# Altium PCB STB_SensorBoard.PcbDoc (part 2 of 4) (continued)
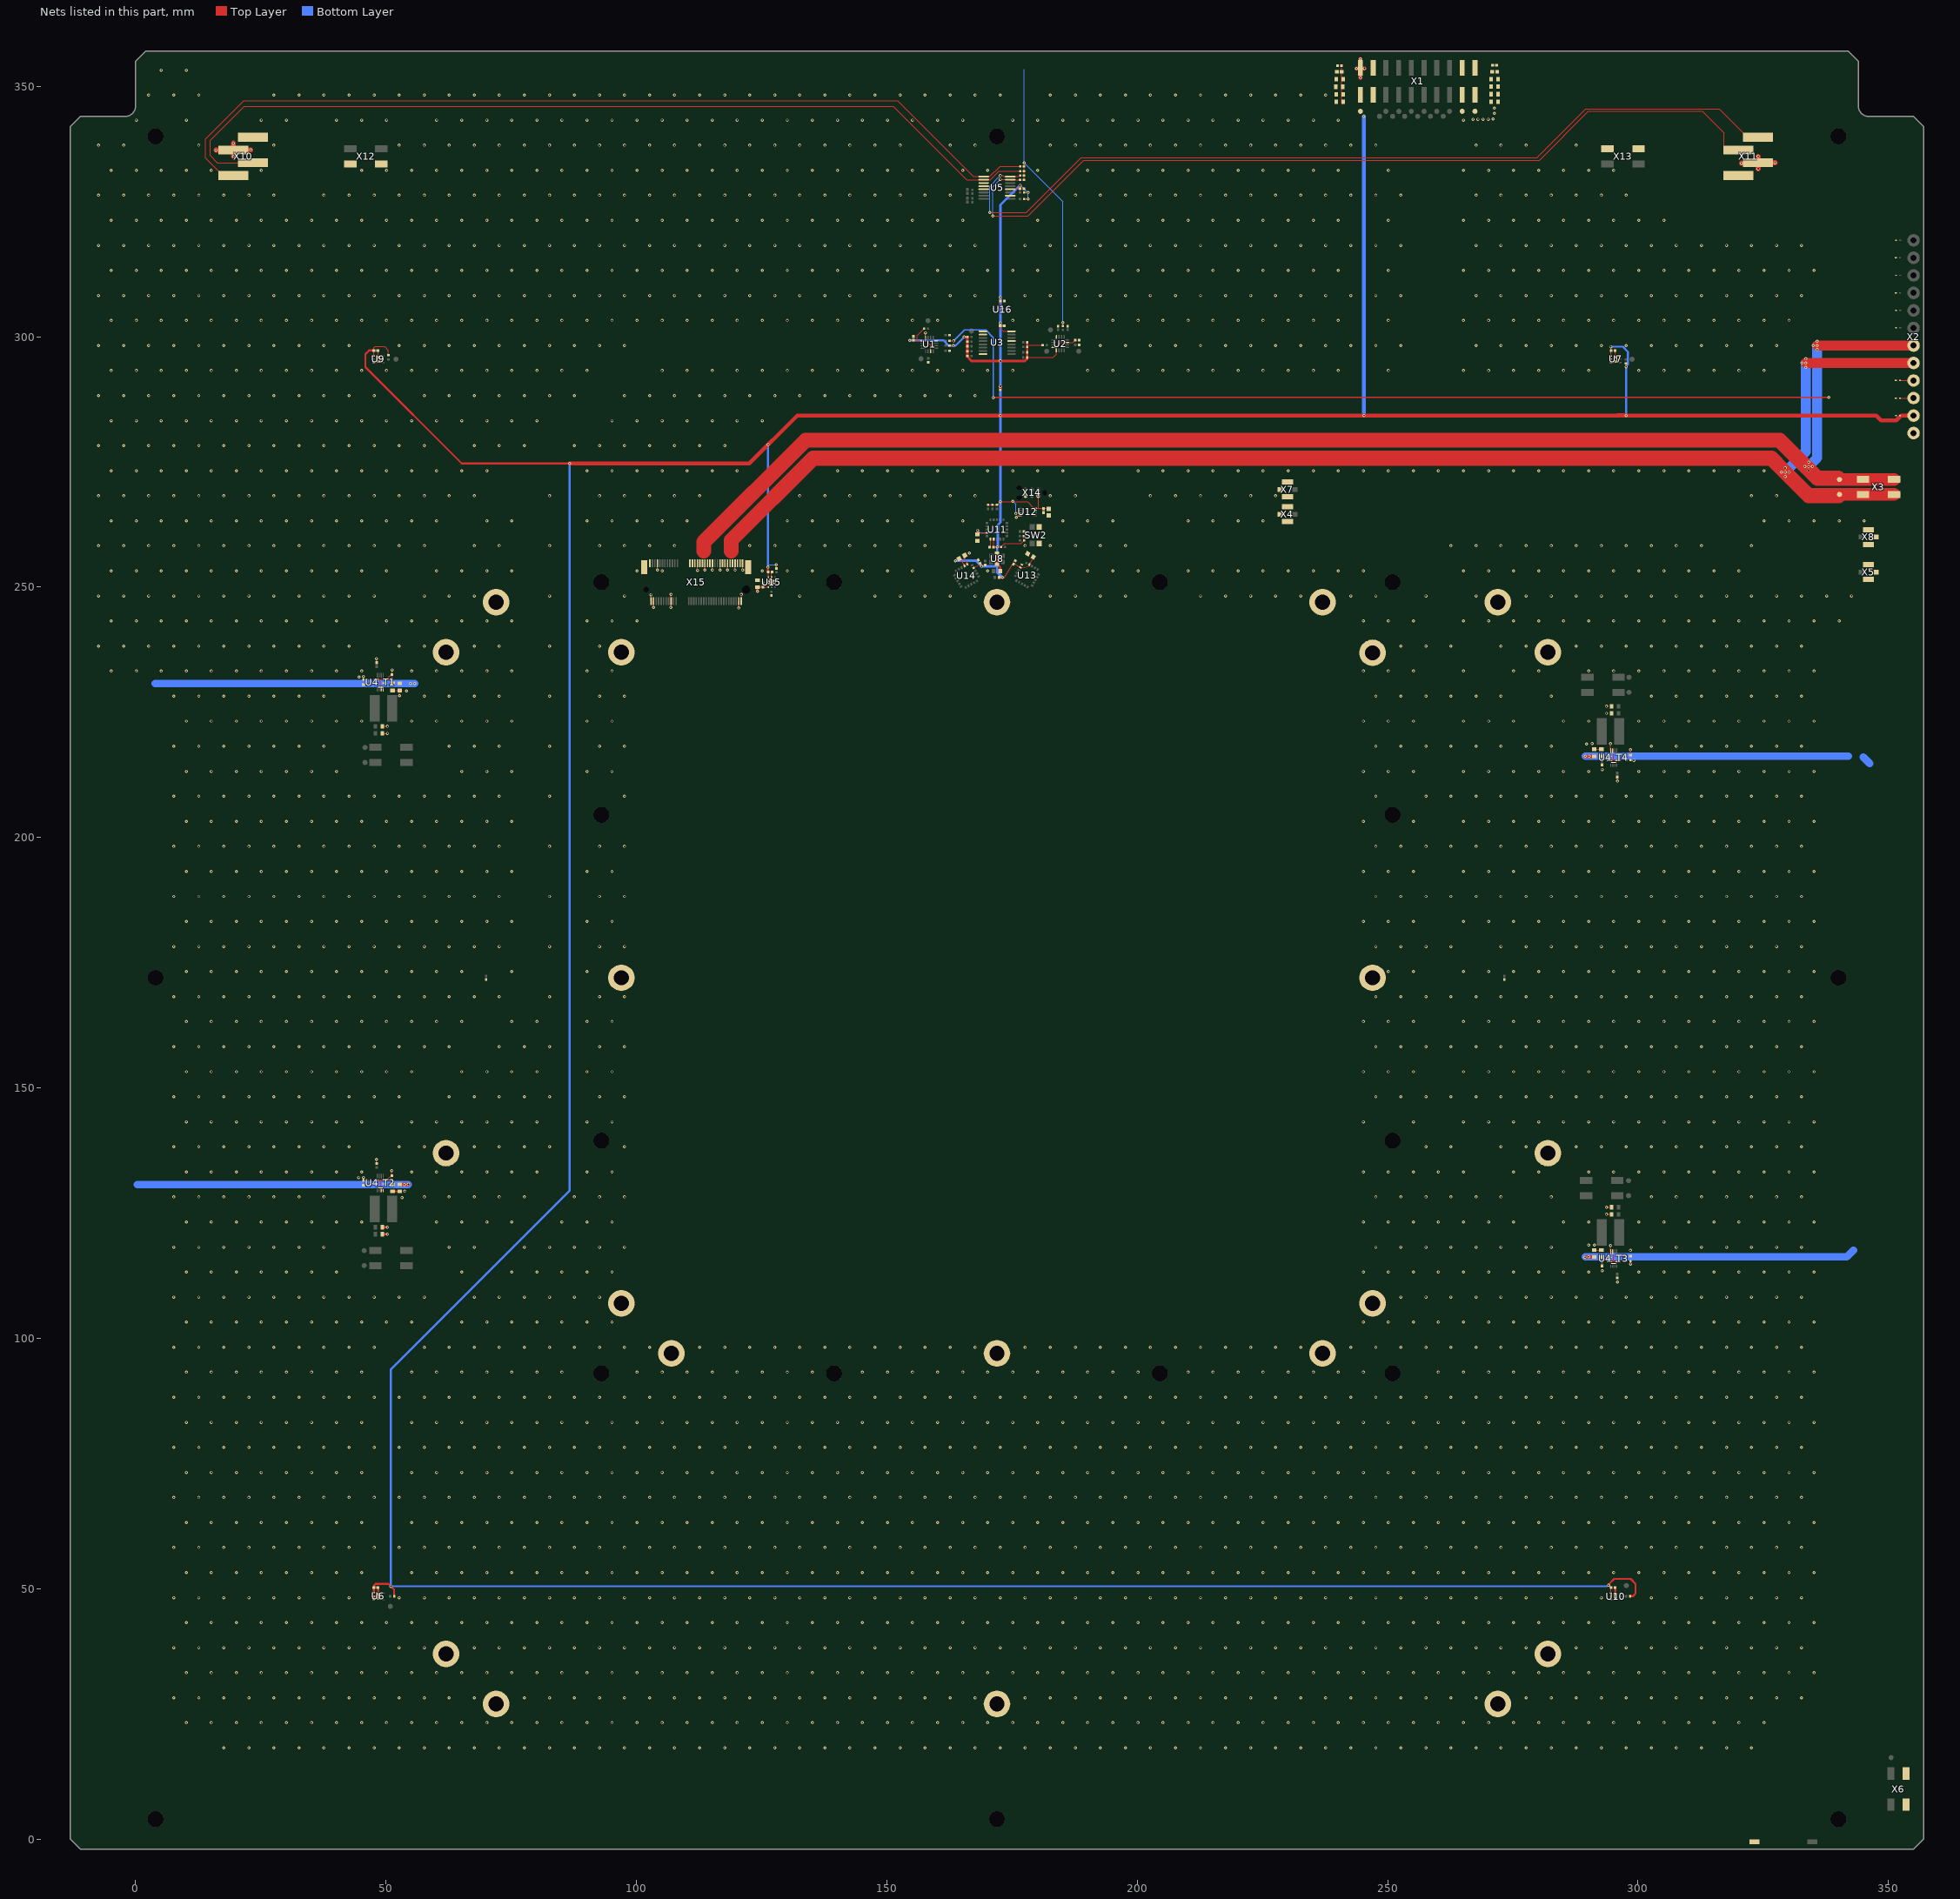
[diagram p2: the nets of this part, all layers, seen from the top]
## Part data (continued)
U13: library part CMP-22831-000003-1, "AS72653-BLGT LGA20 LF T&RDP", Case/Package=LGA, Manufacturer=ams, Supplier Part Number 1=AS72653-BLGTDKR-ND, Category="LED Drivers", ComponentLink1Description=https://ams.com/documents/20143/36005/AS7265x_DS000612_1-00.pdf?src-supplier=Digi-Key, ComponentLink1URL=https://ams.com/documents/20143/36005/AS7265x_DS000612_1-00.pdf?src-supplier=Digi-Key, Manufacturer Part Number=AS72653-BLGT, Mount="Surface Mount", Number of Pins=20, Packaging="Cut Tape", RoHS=No, Supplier 1=Digi-Key
U14: library part CMP-22831-000001-1, "AS72652-BLGT LGA20 LF T&RDP", Case/Package=LGA, Manufacturer=ams, Supplier Part Number 1=AS72652-BLGTDKR-ND, Category="LED Drivers", ComponentLink1Description=https://ams.com/documents/20143/36005/AS7265x_DS000612_1-00.pdf?src-supplier=Digi-Key, ComponentLink1URL=https://ams.com/documents/20143/36005/AS7265x_DS000612_1-00.pdf?src-supplier=Digi-Key, Manufacturer Part Number=AS72652-BLGT, Mount="Surface Mount", Number of Pins=20, Packaging="Cut Tape", RoHS=No, Supplier 1=Digi-Key
U15: library part CMP-04913-000017-1, "IC PWR MGR EFUSE 6.5V 2.8A 6SON", Current=2.5A, Manufacturer="Texas Instruments", Max Operating Temperature=125°C, Max Supply Voltage=6.5V, Min Operating Temperature=-40°C, Min Supply Voltage=2.5V, Package Body Material=Plastic, Package Code=HVSON, Package Shape=Square, Package Style="SMALL OUTLINE, HEAT SINK/SLUG, VERY THIN PROFILEMeter", Peak Reflow Temperature (Cel)=260°C, Supplier Part Number 1=296-37760-6-ND, Supply Voltage-Nom (Vsup)=5V, Temperature Grade=AUTOMOTIVE, Adjustable Threshold=Yes, Analog IC - Other Type="POWER SUPPLY SUPPORT CIRCUIT", Category="Hot Swap Controllers", ComponentLink1Description=https://www.ti.com:443/lit/ds/symlink/tps25200.pdf?src-supplier=IHS+Markit, ComponentLink1URL=https://www.ti.com:443/lit/ds/symlink/tps25200.pdf?src-supplier=IHS+Markit, ComponentLink2Description=https://datasheet.ciiva.com/46433/1821153-46433335.pdf?src-supplier=Element14, ComponentLink2URL=https://datasheet.ciiva.com/46433/1821153-46433335.pdf?src-supplier=Element14, Contact Plating=Gold, Features="Auto Retry", Height=0.75mm, Height - Seated (Max)=0.8mm, JESD-30 Code=S-PDSO-N6, JESD-609 Code=e4, Lead Free="Lead Free", Length=2.1mm, Manufacturer Part Number=TPS25200DRVT, Max Output Current=2.5A, Moisture Sensitivity Level=2, Mount="Surface Mount", Number of Channels=1, Number of Functions=1, Number of Outputs=1, Number of Pins=6, Packaging="Cut Tape", Pricing 1="1=1.15000, 10=1.03200, 25=0.97960, 100=0.80450 (USD)", REACH SVHC="No SVHC", RoHS=Yes, RoHS Compliant=Yes, Stock 1=21750, Supplier 1=Digi-Key, Supply Voltage-Max (Vsup)=6.5V, Supply Voltage-Min (Vsup)=2.5V, Surface Mount=Yes, Terminal Finish=Nickel, Terminal Form="No Lead", Terminal Pitch=0.65mm, Terminal Position=DUAL, Voltage=6.5V, Width=2.1mm
U16: library part CMP-02089-1, "Memory IC 64Kb (8K x 8) I²C 1 MHz 400 ns 4-WLCSP (0.77x0.77)", Clock Frequency="1 MHz", Manufacturer="ON Semiconductor", Mfr=onsemi, Operating Temperature="-40°C ~ 85°C (TA)", Package / Case="4-XFBGA, WLCSP", Supplier Device Package="4-WLCSP (0.77x0.77)", Supplier Part Number 1=488-N24S64BC4DYT3GDKR-ND, Voltage - Supply="1.7V ~ 5.5V", Access Time="400 ns", Base Product Number=N24S64, Category=EEPROM, Manufacturer Part Number=N24S64BC4DYT3G, Memory Format=EEPROM, Memory Interface=I²C, Memory Size="64Kb (8K x 8)", Memory Type=Non-Volatile, Mounting Type="Surface Mount", Product Status=Active, RoHS=Yes, Supplier 1=Digi-Key, Technology=-, Write Cycle Time - Word, Page=5ms
X1: library part CMP-1502-01036-1, "SMT Vertical Pin Header WR-PHD, Pitch 2.54 mm, Dual Row, 20 pins", Contact Resistance=20mOhm, Dielectric Withstanding Voltage (AC)=500V, Flammability Rating="UL94 V-0", Insulation Color=Black, Insulation Resistance=1GR, Manufacturer="Wurth Elektronik", Manufacturer Series=6100, Max Operating Temperature=125°C, Min Operating Temperature=-40°C, Operating Temperature=-40to125degC, Rated Current=3A, Supplier Part Number 1=732-5468-5-ND, Withstanding Voltage=500VAC, Working Voltage=250VAC, Body Breadth=0.2inch, Body Depth=0.142inch, Body Length=1inch, Body/Shell Style=RECEPTACLE, Category=Connectors, ComponentLink1Description=https://datasheet.ciiva.com:443/pdfs/VipMasterIC/IC/MIDC/MIDCS04347/MIDCS04347-1.pdf?src-supplier=IHS+Markit, ComponentLink1URL=https://datasheet.ciiva.com:443/pdfs/VipMasterIC/IC/MIDC/MIDCS04347/MIDCS04347-1.pdf?src-supplier=IHS+Markit, ComponentLink2Description=https://katalog.we-online.de/em/datasheet/6100xx21121.pdf?src-supplier=Digi-Key, ComponentLink2URL=https://katalog.we-online.de/em/datasheet/6100xx21121.pdf?src-supplier=Digi-Key, ComponentLink3Description=http://www.farnell.com/cad/1737271.pdf?src-supplier=Element14, ComponentLink3URL=http://www.farnell.com/cad/1737271.pdf?src-supplier=Element14, Connector Type="BOARD CONNECTOR", Contact Finish - Mating=GOLD, Contact Finish - Termination="Gold (Au) - with Nickel (Ni) barrier", Contact Gender=Male, Contact Material="Copper Alloy", Contact Pattern=RECTANGULAR, Contact Style="SQ PIN-SKT", Datasheet URL=https://katalog.we-online.de/em/datasheet/6100xx21121.pdf, DIN Conformance=No, Filter Feature=No, Gender=Male, IEC Conformance=No, Insulation Material=Polyamide, JESD-609 Code=e4, Manufacturer Part Number=61002021121, Manufacturer URL=http://www.we-online.de, Mating Contact Pitch=0.1inch, Mating Contact Row Spacing=0.1inch, MIL Conformance=No, Mixed Contacts=No, Mount=Board, Mounting Option 1=LOCKING, Mounting Style=STRAIGHT, Mounting Technology=SMT, Number Of Connectors=1, Number of Contacts=20, Number Of PCB Rows=2, Number of Rows Loaded=2, Option="General Purpose", Orientation=Vertical, Package Reference=61002021121, Packaging=Tube, Part Number=61002021121, PCB Contact Pattern=RECTANGULAR, PCB Contact Row Spacing=5.4102mm, Pin Number=20, Pitch=2.54mm, Pricing 1="1=3.72000, 10=3.15900, 24=2.63208, 48=2.19292, 96=1.99302, 192=1.81302 (USD)", Publisher=WurthElektronik, Rated Current (Signal)=3A, REACH SVHC=Yes, Reference Standard=UL, Reliability=COMMERCIAL, RoHS=Yes, RoHS Compliant=Yes, Row Number=Dual, Stock 1=578, Supplier 1=Digi-Key, Terminal Pitch=2.54mm, Termination=SMD/SMT
X2: library part CMP-00203-1, Color=Green, Current - IEC=12A, Current - UL=8A, Manufacturer="Phoenix Contact", Operating Temperature=-, Supplier Part Number=277-5902-ND, Voltage - IEC=250V, Voltage - UL=300V, ComponentLink1Description=1844317.pdf, ComponentLink1URL=http://media.digikey.com/pdf/Data%20Sheets/Phoenix%20Contact%20PDFs/1844317.pdf, Contact Mating Finish=Tin, Features=-, Header Orientation="90°, Right Angle", Manufacturer Part Number=1844317, Mounting Type="Through Hole", Number of Levels=1, Number of Positions=12, Packaging=Bulk, Part Status=Active, Plug Wire Entry=-, Positions Per Level=12, Supplier=Digi-Key, Termination Style=Solder, Type="Header, Male Pins, Shrouded (4 Side)", Wire Gauge or Range - AWG=-, Wire Gauge or Range - mm²=-
X3 X6 X9_T1 X9_T2 X9_T3 X9_T4 X12 X13: "Barrier Strip Terminal Block, 3A, 0.34mm2, 1 Row(s), 1 Deck(s)", Current Rating=3A, Manufacturer=WAGO, Supplier Part Number 1=2946-2059-302/998-403CT-ND, Voltage Rating=250V, Category=Connectors, ComponentLink1Description=https://datasheet.ciiva.com:443/pdfs/VipMasterIC/IC/WAGO/WAGO-S-A0007107760/WAGO-S-A0007107948-1.pdf?src-supplier=IHS+Markit, ComponentLink1URL=https://datasheet.ciiva.com:443/pdfs/VipMasterIC/IC/WAGO/WAGO-S-A0007107760/WAGO-S-A0007107948-1.pdf?src-supplier=IHS+Markit, ComponentLink2Description=https://datasheet.ciiva.com/41441/001208172-da-01-de-smd-leiterplattenklemme-2059-302-998-404-41441808.pdf?src-supplier=Conrad, ComponentLink2URL=https://datasheet.ciiva.com/41441/001208172-da-01-de-smd-leiterplattenklemme-2059-302-998-404-41441808.pdf?src-supplier=Conrad, ComponentLink3Description=https://datasheet.ciiva.com/46435/1860449-46435420.pdf?src-supplier=Element14, ComponentLink3URL=https://datasheet.ciiva.com/46435/1860449-46435420.pdf?src-supplier=Element14, Fastening Method=PUSH-IN, Manufacturer Part Number=2059-302/998-403, Mount=Board, Number of Decks=1, Number of Rows=1, Number of Ways=2, Pricing 1="1=1.25000, 10=0.87800, 25=0.81880, 50=0.74320, 100=0.73990, 250=0.62484, 500=0.59194 (USD)", REACH SVHC=Yes, RoHS=Yes, RoHS Compliant=Yes, Safety Approval=UL, Stock 1=17368, Supplier 1=Digi-Key, Terminal and Terminal Block Type="BARRIER STRIP TERMINAL BLOCK", Wire Cross Section=0.34mm2, Wire/Cable Gauge=22AWG
X4 X5 X7 X8: library part CMP-1676-00003-1, "MCRF, PCB Vertical Jack Receptacle, 50 Ohm, 4-Pin SMD, RoHS, Tape and Reel", Frequency="6 Hz", Insulation Resistance=500MR, Manufacturer=Molex, Max Frequency=6GHz, Max Operating Temperature="90 degC", Min Operating Temperature="-40 degC", Package Quantity=5000, Supplier Part Number 1=WM5587CT-ND, Voltage Rating="60 V", Body Material="Polymer,Liquid Crystal Polymer", Body Plating=Gold, Category="RF / Coaxial Connectors", ComponentLink1Description="Manufacturer URL", ComponentLink1URL=http://www.molex.com/, ComponentLink2Description=Datasheet, ComponentLink2URL=http://www.molex.com/webdocs/datasheets/pdf/en-us/0734120110_RF_COAX_CONNECTORS.pdf, ComponentLink3Description="Package Specification", ComponentLink3URL=http://www.molex.com/pdm_docs/sd/734120110_sd.pdf, ComponentLink4Description=https://datasheet.ciiva.com/30219/250360734120110-rf-coax-nectors-30219809.pdf?src-supplier=Onlinecomponents.com, ComponentLink4URL=https://datasheet.ciiva.com/30219/250360734120110-rf-coax-nectors-30219809.pdf?src-supplier=Onlinecomponents.com, ComponentLink5Description=https://datasheet.ciiva.com/16653/0734120110-rf-coax-connectors-16653186.pdf?src-supplier=Avnet+Europe, ComponentLink5URL=https://datasheet.ciiva.com/16653/0734120110-rf-coax-connectors-16653186.pdf?src-supplier=Avnet+Europe, ComponentLink6Description=https://datasheet.ciiva.com/11762/0900766b80dfdeb4-11762356.pdf?src-supplier=RSComponents, ComponentLink6URL=https://datasheet.ciiva.com/11762/0900766b80dfdeb4-11762356.pdf?src-supplier=RSComponents, ComponentLink7Description=https://datasheet.ciiva.com/22773/1841262-22773140.pdf?src-supplier=Farnell, ComponentLink7URL=https://datasheet.ciiva.com/22773/1841262-22773140.pdf?src-supplier=Farnell, ComponentLink8Description=https://datasheet.ciiva.com/4600/0734120110-rf-coax-connectors-173239-4600647.pdf?src-supplier=Mouser, ComponentLink8URL=https://datasheet.ciiva.com/4600/0734120110-rf-coax-connectors-173239-4600647.pdf?src-supplier=Mouser, ComponentLink9Description=https://datasheet.ciiva.com/16081/1387750734120110-rf-coax-nectors-16081145.pdf?src-supplier=Onlinecomponents.com, ComponentLink9URL=https://datasheet.ciiva.com/16081/1387750734120110-rf-coax-nectors-16081145.pdf?src-supplier=Onlinecomponents.com, ComponentLink10Description=https://datasheet.ciiva.com/46384/1808577-46384459.pdf?src-supplier=Element14, ComponentLink10URL=https://datasheet.ciiva.com/46384/1808577-46384459.pdf?src-supplier=Element14, ComponentLink11Description=https://datasheet.ciiva.com/9419/0734120110-rf-coax-connectors-9419357.pdf?src-supplier=Avnet, ComponentLink11URL=https://datasheet.ciiva.com/9419/0734120110-rf-coax-connectors-9419357.pdf?src-supplier=Avnet, Connector Type=Coaxial, Contact Material=Bronze, Contact Plating=Gold, DatasheetVersion=04/2016, Gender=Female, Halogen Free="Low Halogen", Height="1.25 mm", Impedance="50 Ohm", Lead Free="Lead Free", Length="3 mm", Manufacturer Part Number=73412-0110, Material=Bronze, Mating Cycles=30, Mount="Surface Mount", Mounting Technology="Surface Mount", Orientation=Straight, PackageDescription="4-Leads SMD, Body 2.6 x 2.6 mm", PackageReference=73412-0110, PackageVersion="Rev. C14, 07/2015", Packaging="Tape and Reel", Polarity=Standard, Pricing 1="1=0.70000, 10=0.65600, 25=0.59040, 50=0.52480, 100=0.50300, 250=0.45928, 500=0.43740, 1000=0.36086, 2500=0.32805 (USD)", Radiation Hardening=No, REACH SVHC=Unknown, RoHS=Yes, RoHSCompliant=true, Stock 1=111881, Supplier 1=Digi-Key, Termination=Solder, Voltage Rating (AC)="60 V", Width="3 mm"
X10 X11: "Board Connector, 4 Contact(s), 1 Row(s), Male, Straight, 0.1 inch Pitch, Locking, Black Insulator, Plug", Contact Resistance=10mR, Dielectric Withstanding Voltage (AC)=750V, Insulation Color=Black, Insulation Resistance=5GR, Manufacturer="TE Connectivity", Manufacturer Part Number=3-647166-4, Manufacturer Series=647166, Max Operating Temperature=105°C, Min Operating Temperature=-55°C, Supplier Part Number 1=A110803-ND, Body Breadth=0.25inch, Body Depth=0.347inch, Body Length=0.4inch, Body/Shell Style=PLUG, Category=Connectors, ComponentLink1Description=https://datasheet.ciiva.com:443/pdfs/VipMasterIC/IC/TYEL/TYEL-S-A0008869674/TYEL-S-A0008865685-1.pdf?src-supplier=IHS+Markit, ComponentLink1URL=https://datasheet.ciiva.com:443/pdfs/VipMasterIC/IC/TYEL/TYEL-S-A0008869674/TYEL-S-A0008865685-1.pdf?src-supplier=IHS+Markit, ComponentLink2Description=https://datasheet.ciiva.com/16216/eng-ds-82056-mta-0608-16216388.pdf?src-supplier=Future+Electronics, ComponentLink2URL=https://datasheet.ciiva.com/16216/eng-ds-82056-mta-0608-16216388.pdf?src-supplier=Future+Electronics, ComponentLink3Description=https://datasheet.ciiva.com/9525/eng-ds-82056-mta-0608-9525559.pdf?src-supplier=Avnet, ComponentLink3URL=https://datasheet.ciiva.com/9525/eng-ds-82056-mta-0608-9525559.pdf?src-supplier=Avnet, Connector Type="BOARD CONNECTOR", Contact Finish - Mating="NOT SPECIFIED", Contact Gender=Male, Contact Pattern=RECTANGULAR, Contact Style="SQ PIN-SKT", DIN Conformance=No, Durability=25Cycles, Filter Feature=No, IEC Conformance=No, Insertion Force-Max=8.896N, Insulation Material=Nylon, JESD-609 Code=e3, Mating Contact Pitch=0.1inch, MIL Conformance=No, Mixed Contacts=No, Mount=Board, Mounting Option 1=LOCKING, Mounting Option 2="FRICTION LOCK", Mounting Style=STRAIGHT, Number Of Connectors=1, Number of Contacts=4, Number Of PCB Rows=2, Number of Rows Loaded=1, Option="General Purpose", PCB Contact Pattern=STAGGERED, PCB Contact Row Spacing=2.9972mm, Polarization Key="POLARIZED HOUSING", Pricing 1="1=2.42000, 10=2.10700, 100=1.88280, 500=1.56900, 1000=1.34485, 5000=1.19243 (USD)", Reach SVHC Compliant=Yes, Reference Standard=UL, Reliability=COMMERCIAL, RoHS=Yes, RoHS Compliant=Yes, Stock 1=3619, Supplier 1=Digi-Key, Terminal Pitch=2.54mm, Termination=SMD/SMT, Withdrawl Force-Min=3.614N
X14: library part CMP-00723-1, "CABLE, TAG CONNECT, WITH OUT LEG, FOR IC", Package Quantity=1, Lead Free="Lead Free", Number of Pins=6, Packaging=Bulk, REACH SVHC="No SVHC"
X15: library part CMP-01221-1, "67 Position Female Connector M.2 (NGFF) Mini Card Gold 0.020\" (0.50mm) Black", Color=Black, Contact Current Rating=500mA, Insulation Resistance=500MR, Manufacturer="TE Connectivity", Manufacturer Part Number=2199230-4, Max Operating Temperature=80°C, Min Operating Temperature=-40°C, Package Quantity=1, Supplier Part Number 1=A115904CT-ND, Voltage Rating=50V, Category="Card Edge Connectors", ComponentLink1Description=https://datasheet.ciiva.com/28797/1918022-28797830.pdf?src-supplier=Element14, ComponentLink1URL=https://datasheet.ciiva.com/28797/1918022-28797830.pdf?src-supplier=Element14, ComponentLink2Description=https://datasheet.ciiva.com/18495/eng-cd-2199230-b1-c-2199230-b1-18495978.pdf?src-supplier=Digi-Key, ComponentLink2URL=https://datasheet.ciiva.com/18495/eng-cd-2199230-b1-c-2199230-b1-18495978.pdf?src-supplier=Digi-Key, ComponentLink3Description=https://datasheet.ciiva.com/18495/eng-cd-2199230-b1-c-2199230-b1-18495979.pdf?src-supplier=Digi-Key, ComponentLink3URL=https://datasheet.ciiva.com/18495/eng-cd-2199230-b1-c-2199230-b1-18495979.pdf?src-supplier=Digi-Key, ComponentLink4Description=https://datasheet.ciiva.com/18495/eng-cd-2199230-b1-c-2199230-b1-18495980.pdf?src-supplier=Digi-Key, ComponentLink4URL=https://datasheet.ciiva.com/18495/eng-cd-2199230-b1-c-2199230-b1-18495980.pdf?src-supplier=Digi-Key, ComponentLink5Description=https://datasheet.ciiva.com/22714/1918022-22714780.pdf?src-supplier=Element14, ComponentLink5URL=https://datasheet.ciiva.com/22714/1918022-22714780.pdf?src-supplier=Element14, ComponentLink6Description=https://datasheet.ciiva.com/28797/1918022-28797822.pdf?src-supplier=Element14, ComponentLink6URL=https://datasheet.ciiva.com/28797/1918022-28797822.pdf?src-supplier=Element14, Contact Material="Copper Alloy", Contact Plating=Gold,Matte, Current Rating=500mA, ELV=Compliant, Gender=Female, Height=3.2mm, Housing Color=Black, Housing Material=Thermoplastic, Insulation Material=Thermoplastic, Length=0.862inch, Mount="Surface Mount", Number of Contacts=67, Number of Positions=67, Number of Rows=2, Orientation="Right Angle", Packaging="Tape and Reel", PCB Mounting Orientation="Right Angle", Pitch=0.5mm, Pricing 1="1=1.29000, 10=1.13700, 25=1.07000, 50=1.02560, 100=0.98100, 250=0.89180, 500=0.80262 (USD)", REACH SVHC=Unknown, RoHS=Yes, RoHS Compliant=Yes, Row Spacing=7.55mm, Stock 1=14351, Supplier 1=Digi-Key, Termination=Solder, Width=8.7mm

## Free pads (board coordinates)
  round 3.2 hole 3.2 unplated: 6(4,4) 6(4,172) 6(4,340) 6(93,251) 6(93,204.5) 6(93,139.5) 6(93.009,93) 6(139.509,251) 6(139.509,93) 6(172,4) 6(172,340) 6(204.509,251) 6(204.509,93) 6(251,93) 6(251,139.5) 6(251,204.5) 6(251,251) 6(340,4) 6(340,340) 6(340,172)

## Via types
v1: diameter 0.604, hole 0.3, Top Layer to Bottom Layer, tented both sides, 3353 vias

## Nets (pads, with @x,y where several pads share a name; then routed paths per layer and width w, separated by ;. In a path a pad name is that pad's centre, name@x,y a point inside that pad or via, vN(x,y) a via of type N, cw(c..) or ccw(c..) an arc to the next point about the centre after c; other vN are vias at no path point)
3V3: C7.2 C8.2 C9.2 C10.2 C11.2 C12.2 C13.2 C15.2 C17.2 C25.2 C28.2 C29.2 C32.2 C33.2 C34.2 C35.2 C36.2 C37.2 C38.2 C39.2 C40.2 C41.2 C43.2 C45.2 D7.1 L2.2 R1.2 R2.2 R3.1 R7.2 R11.1 R13_T1.2 R13_T2.2 R13_T3.2 R13_T4.2 R14_T1.2 R14_T2.2 R14_T3.2 R14_T4.2 R19.2 R20.2 R25.2 R26.2 R27.2 R28.2 R29.2 R30.2 R31.2 R32.2 R33.2 R34.2 R36.1 TP10.TP U1.1 U1.7 U2.1 U2.7 U2.16 U3.16 U5.12 U6.1 U7.1 U7.2 U9.1 U10.1 U11.14 U11.17 U12.3 U12.7 U12.8 U13.14 U13.17 U14.14 U14.17 U15.6 U16.A1 X1.20 X2.2 X14.2 | length 1168
  Top Layer w0.2: U6.1@47.55,49.25 47.555,49.25 U6.1@47.58,49.275 ; U9.1@47.55,296.15 47.555,296.15 47.58,296.175 47.58,297.22 C32.2@47.61,297.25 47.582,297.278 47.582,297.761 47.873,298.052 49.73,298.052 50.498,297.284 R28.2@50.498,296.283 ; C28.2@47.58,50.22 C28.2@47.61,50.25 ; C43.2@126.304,252.998 126.346,252.956 U15.6@126.346,251.975 ; v1(127.939,254.464) 127.952,254.451 127.952,253.748 R36.1@127.965,253.735 ; v1(154.608,299.294) 154.61,299.293 C13.2@155.318,299.291 C13.2@155.318,299.291 ; C13.2@155.512,299.188 156.055,299.188 ; R2.2@157.45,301.6 156.055,300.205 156.055,299.188 ; U1.7@158.75,297.099 158.75,298.33 157.909,299.171 157.607,299.171 157.599,299.179 157.17,299.179 U1.1@157.149,299.2 157.136,299.188 156.055,299.188 ; R3.1@162.527,298.2 v1(163.295,298.201) ; v1(163.704,255.253) 164.163,255.518 C39.2@164.437,255.694 164.775,255.484 165.413,254.379 U14.17@165.518,254.237 ; R11.1@166.09,299.976 166.093,299.973 R14_T2.2@166.093,297.109 ; 166.093,296.443 R14_T2.2@166.093,297.109 ; R14_T2.2@166.095,297.112 R14_T2.2@166.093,297.109 ; U14.14@167.346,253.821 167.473,253.951 168.552,254.574 C41.2@168.65,254.635 ; v1(168.1,261.351) C34.2@168.1,260.534 168.45,260.82 169.8,260.82 U11.14@169.975,260.85 ; C41.2@168.642,254.737 ccw(c169.345,254.737) C41.2@168.65,254.635 ; v1(168.924,254.165) 168.848,254.24 cw(c169.345,254.737) C41.2@168.65,254.635 ; R34.2@170.222,266.426 R30.2@172,266.426 172.631,267.057 v1(172.674,267.057) 172.696,267.078 178.084,267.078 179.378,265.784 U12.8@179.613,265.784 ; C35.2@171.318,258.013 C35.2@171.322,258.017 ; U11.17@171.35,259.575 171.334,259.559 171.334,258.029 C35.2@171.322,258.017 ; L2.2@172.42,251.935 172.605,251.934 v1(173.081,251.934) 173.558,251.934 175.064,254.52 C40.2@175.293,254.596 175.48,254.599 176.5,254.011 U13.17@176.658,253.934 176.832,253.885 176.902,253.845 176.948,253.818 177.002,253.818 177.023,253.818 178.225,254.071 178.286,254.131 178.299,254.154 178.393,254.318 U13.14@178.45,254.487 178.531,254.642 179.133,255.684 C38.2@179.254,256.019 ; C17.2@172.66,302.141 172.681,302.121 172.681,301.632 173.238,301.075 U3.16@174.9,301.075 ; C17.2@172.67,302.151 v1@172.67,302.715 ; v1(172.68,307.872) 172.683,307.87 172.683,307.175 C45.2@172.685,307.172 172.685,305.818 172.875,305.628 U16.A1@172.875,305.622 ; R27.2@172.825,257.99 172.81,258.006 172.052,258.006 v1(172.037,258.021) 172.033,258.017 C35.2@171.322,258.017 ; R27.2@172.866,257.997 172.866,258.031 173.534,258.7 176.801,258.7 R32.2@177.41,259.309 177.396,259.322 177.396,260.186 R31.2@177.383,260.2 ; U5.12@174.65,329.432 174.679,329.461 176.502,329.461 C25.2@176.613,329.573 ; v1(175.771,264.675) 175.88,264.675 175.963,264.759 176.588,264.759 U12.3@176.613,264.784 ; R20.2@177.403,327.496 v1(178.225,327.496) ; R19.2@177.403,328.772 v1(178.225,328.772) ; R14_T3.2@178.025,295.842 183.233,295.842 183.886,296.495 U2.1@183.886,297.249 183.886,298 184.736,298.85 U2.7@185.987,298.85 187.173,298.85 187.613,299.29 C15.2@187.633,299.29 ; 178.025,298.339 178.036,298.35 R7.2@181.123,298.35 ; U12.7@179.613,265.284 U12.8@179.613,265.784 ; X14.2@180.245,268.2 180.267,268.178 180.267,265.784 ; C36.2@182.347,265.574 182.137,265.784 180.267,265.784 ; C36.2@182.347,265.63 C36.2@182.607,265.37 ; U2.16@183.285,297.85 183.29,297.845 183.873,297.845 ; 240.86,353.7 240.86,353.534 240.848,353.522 240.855,353.515 C11.2@240.855,352.9 240.855,346.67 241.1,346.425 ; 244.96,344 v1(245.264,344) ; U7.2@294.55,295.5 U7.1@294.55,296.15 294.555,296.15 294.58,296.175 294.58,297.97 v1(294.55,298) ; U10.1@294.58,49.18 C33.2@294.58,50.22 ; R26.2@297.575,294.68 297.587,294.668 297.587,294.013 v1(297.6,294) ; D7.1@352.316,284.257 352.319,284.253 354.997,284.253 X2.2@355,284.25 ; U12.8@179.613,265.784 180.267,265.784
  Top Layer w0.4: U6.1@47.58,49.275 C28.2@47.58,50.22 ; C28.2@47.61,50.25 47.63,50.25 47.69,50.31 47.69,50.746 47.944,51 50.5,51 51.65,49.85 R25.2@51.65,48.5 ; C32.2@47.61,297.25 46.627,297.25 45.9,296.523 45.9,293.949 65.142,274.707 v1(86.677,274.707) ; v1(126.284,254) 126.294,253.99 126.294,253.008 C43.2@126.304,252.998 ; v1(165.42,299.938) 165.439,299.957 166.071,299.957 R11.1@166.09,299.976 ; R14_T3.2@178.025,295.842 R13_T3.2@178.025,296.886 178.025,298.339 R13_T4.2@178.025,298.882 ; C33.2@294.58,50.22 C33.2@294.61,50.25 294.59,50.25 294.109,50.731 v1(294.109,50.741) 294.148,50.78 294.148,50.88 295.239,51.971 298.529,51.971 299.5,51 299.5,49.055 298.97,48.525 298.425,48.525 R29.2@298.4,48.5
  Top Layer w0.5: R11.1@166.09,299.976 R13_T1.2@166.09,298.1 R13_T2.2@166.09,296.168 166.09,295.988 166.93,295.148 v1(172.68,295.148) 177.572,295.148 178.025,295.601 R14_T3.2@178.025,295.842 ; C17.2@172.66,302.141 C17.2@172.67,302.151 ; v1@172.67,302.715 v1(172.68,302.725) ; R1.2@172.679,289.4 v1(172.679,290.1) ; C25.2@176.613,329.573 v1(176.613,330.23)
  Top Layer w0.8: v1@86.7,274.685 122.569,274.685 132.134,284.25 172.669,284.25 v1(172.683,284.236) v1@172.746,284.236 ; v1@172.844,284.255 186.215,284.255 186.223,284.263 245.264,284.263 v1(245.281,284.247) 295.816,284.247 295.856,284.286 v1@297.552,284.286 ; v1(297.6,284.238) 347.556,284.238 348.5,283.294 351.561,283.294 352.517,284.25 354.931,284.25 X2.2@355.112,284.069
  Bottom Layer w0.2: 126.298,254.427 126.335,254.464 v1(127.939,254.464) ; v1(168.1,261.351) 168.563,260.889 172.183,260.889 ; v1(175.169,267.143) 175.771,266.541 v1(175.771,264.675) ; v1(176.613,330.23) 176.69,330.23 178.148,328.772 v1(178.225,328.772) v1(178.225,327.496) ; v1(297.6,294) v1@297.6,294.102
  Bottom Layer w0.4: v1@86.689,274.719 v1(86.677,274.707) 86.7,274.685 86.7,129.518 51.007,93.825 v1(51.007,50.5) 293.813,50.5 294.054,50.741 v1(294.109,50.741) ; v1(126.284,254) 126.298,254.014 126.298,254.427 126.298,278.414 v1(126.312,278.428) ; v1(154.608,299.294) 161.286,299.294 162.379,298.201 v1(163.295,298.201) 163.313,298.219 163.753,298.219 165.42,299.887 v1(165.42,299.938) ; v1(294.55,298) 296.95,298 297.975,296.975 297.975,294.477 v1@297.6,294.102 ; v1(297.6,284.238) v1(297.6,294)
  Bottom Layer w0.5: v1(163.704,255.253) 167.835,255.253 v1(168.924,254.165) 172.037,254.165 ; v1(173.081,251.934) 172.037,252.979 172.037,254.165 ; v1(176.613,330.23) 172.68,326.297 v1(172.68,302.725) v1(172.68,295.148) 172.68,284.239 v1(172.683,284.236) 172.679,284.231 172.679,267.061 v1(172.674,267.057) 172.674,262.907 172.198,262.43 172.198,260.904 172.183,260.889 172.183,258.195 172.037,258.049 172.037,254.165
  Bottom Layer w0.8: v1(245.264,344) 245.264,284.263 v1(245.281,284.247)
3V3_DUT: C42.2 C44.2 U15.1 X15.2 X15.4 X15.72 X15.74 | length 8.2
  Top Layer w0.2: X15.2@102.95,247.225 v1(102.95,248.505) ; v1(103.443,245.933) 103.446,245.937 103.446,247.221 X15.4@103.45,247.225 ; v1(120.45,245.826) X15.72@120.45,247.225 ; X15.74@120.95,247.225 v1(120.95,248.516) ; C42.2@124.178,249.972 124.231,250.025 C44.2@125.247,250.025 U15.1@126.346,250.025
  Top Layer w0.5: v1(124.169,249.185) 124.174,249.189 124.174,249.968 C42.2@124.178,249.972
5V: C1.2 C2.2 C3.2 C4.2 C5.2 C6.2 C18_T1.2 C18_T2.2 C18_T3.2 C18_T4.2 C19_T1.2 C19_T2.2 C19_T3.2 C19_T4.2 D8.1 R5.1 R12_T1.2 R12_T2.2 R12_T3.2 R12_T4.2 TP1.TP U4_T1.10 U4_T2.10 U4_T3.10 U4_T4.10 X1.1 X1.2 X2.3 | length 418.5
  Top Layer w0.2: R12_T2.2@45.5,131.532 v1(45.5,132.12) ; R12_T1.2@45.5,231.532 45.51,231.542 45.51,232.171 v1(45.52,232.181) ; R5.1@162.527,299.2 163.289,299.2 v1(163.333,299.156) ; TP1.TP@267.415,344.993 TP1.TP@267.43,345.007 ; R12_T3.2@298.5,115.438 298.505,115.433 298.505,114.845 v1(298.51,114.84) ; R12_T4.2@298.5,215.468 298.53,215.438 299.124,215.438 v1(299.154,215.407) ; D8.1@352.316,287.737 D8.1@352.306,287.747 D8.1@352.306,287.747 X2.3@354.961,287.748 ; X2.3@354.958,287.745 X2.3@354.961,287.748 ; X2.3@354.963,287.75 X2.3@354.961,287.748 ; X2.3@355,287.75 354.998,287.748 X2.3@354.961,287.748
  Top Layer w0.25: v1(171.236,287.828) 171.26,287.852 338.075,287.852 v1(338.1,287.877)
  Top Layer w0.7: C19_T2.2@52.754,130.762 54.481,130.762 v1(54.487,130.768) ; v1(289.406,116.213) 290.116,116.213 290.12,116.208 C19_T3.2@291.246,116.208 ; v1(289.437,216.23) 289.445,216.238 v1(290.212,216.238) C19_T4.2@291.246,216.238
  Bottom Layer w0.2: 45.494,230.76 45.494,232.155 v1(45.52,232.181) ; v1(45.5,132.12) 45.5,130.935 45.686,130.749 ; v1(298.51,114.84) 298.51,116.266
  Bottom Layer w0.25: v1(163.333,299.156) 165.502,301.325 169.775,301.325 171.267,299.833 171.267,287.859 v1(171.236,287.828)
  Bottom Layer w1.5: 0.329,130.729 45.706,130.729 ; 3.9,230.76 45.494,230.76 ; 45.68,230.76 v1(54.912,230.76) v1(55.771,230.76) ; 45.686,130.749 45.706,130.729 ; v1@54.481,130.729 v1(53.649,130.729) 45.706,130.729 ; v1@289.435,116.266 v1(290.12,116.266) 298.51,116.266 341.666,116.266 343,117.6 ; v1(289.437,216.23) v1@290.212,216.23 ; v1@290.227,216.223 342,216.223 ; 344.93,216.07 346.248,214.752
  other v1: 267.03,343.425 268.038,343.425 269.047,343.425 270.05,343.425 271.069,343.475 271.325,344.602 271.325,345.654
12V: D9.1 R8.1 R15.2 R16.2 R17.2 R18.2 X1.19 X2.4 X10.2 X11.2 | length 84.6
  Top Layer w0.2: R18.2@177.378,331.337 177.403,331.362 R17.2@177.403,332.2 R16.2@177.403,333.087 R15.2@177.403,334 177.403,334.675 v1(177.428,334.7) ; R8.1@185.136,302.141 185.142,302.148 185.142,302.841 v1(185.148,302.848) ; D9.1@352.306,291.257 352.309,291.253 354.997,291.253 X2.4@355,291.25
  Top Layer w0.8: v1(243.775,353.565) 244.47,353.565 244.57,353.665 X1.19@244.57,353.7 v1(244.57,355.45) ; v1(244.581,351.689) 244.581,353.439 244.581,353.474 244.681,353.574 v1(245.376,353.574)
  Top Layer w1: v1(16.065,337.256) 19.521,337.256 X10.2@19.535,337.27 ; v1(19.535,336) X10.2@19.535,337.27 ; v1(19.535,338.653) X10.2@19.535,337.27 ; v1(23,337.27) X10.2@19.535,337.27 ; v1(320.631,334.644) 323.879,334.644 X11.2@323.965,334.73 ; v1(323.965,333.529) X11.2@323.965,334.73 ; v1(323.965,336.014) X11.2@323.965,334.73 ; v1(327.343,334.73) X11.2@323.965,334.73
  Bottom Layer w0.2: v1(177.428,334.7) 177.428,334.728 177.428,353.4 ; v1@177.44,334.688 185.148,326.98 v1(185.148,302.848)
CELL_NEG: TP16.TP X2.5 X3.1 X15.59 X15.61 X15.65 X15.67 X15.71 X15.73 | length 289
  Top Layer w2: v1(333.473,294.74) 333.482,294.75 X2.5@355,294.75
  Top Layer w2.5: TP16.TP@340.213,268.5 X3.1@344.9,268.5 X3.1@351.1,268.5
  Top Layer w3: 118.95,257.229 118.95,259.361 135.303,275.713 326.611,275.713 328.983,273.341 334.058,268.267 TP16.TP@340.035,268.267
  Bottom Layer w2: v1@329.375,272.95 333.473,277.048 v1(333.473,293.906) v1(333.473,294.74)
  other v1: 329.37,272.111 328.602,272.96 329.37,272.945 330.142,272.935 329.379,273.799 332.7,294.75 333.482,295.594
CELL_POS: TP17.TP X2.6 X3.2 X15.35 X15.37 X15.41 X15.43 X15.47 X15.49 | length 294.8
  Top Layer w2: v1(335.75,298.25) X2.6@355,298.25
  Top Layer w2.5: TP17.TP@340.213,271.5 X3.2@344.9,271.5 X3.2@351.1,271.5
  Top Layer w3: 113.45,257.229 113.45,258.977 133.796,279.323 328.277,279.323 335.841,271.759 TP17.TP@339.954,271.759
  Bottom Layer w2: v1@334.058,274.1 335.75,275.792 v1(335.75,298.25)
  other v1: 334.053,273.261 334.053,274.095 334.826,274.085 333.28,274.105 334.063,274.949 335.74,297.406 334.968,298.25 335.75,299.094
FAN_CONTROL1: R15.1 U5.1 X10.4 | length 185.8
  Top Layer w0.2: X10.4@19.535,332.19 17.44,332.19 16.65,332.98 16.65,332.985 14,335.635 14,339.5 21.6,347.1 152.122,347.1 167.249,331.972 170.595,331.972 172.623,334 R15.1@176.653,334
  Top Layer w1: X10.4@19.535,332.19 X10.4@21.61,332.19
FAN_CONTROL2: R17.1 U5.16 X11.4 | length 176.7
  Top Layer w0.2: v1(170.554,324.789) 177.889,324.789 188.832,335.732 279.831,335.732 289.556,345.457 316.223,345.457 321.08,340.6 321.87,339.81 X11.4@323.965,339.81 ; v1(172.679,332.16) 173.184,332.16 173.354,331.991 174.632,331.991 U5.16@174.65,331.972 176.401,331.972 176.628,332.2 R17.1@176.653,332.2
  Bottom Layer w0.2: v1(170.554,324.789) 170.554,330.046 172.668,332.16 v1(172.679,332.16)
FAN_SENSE1: R16.1 U5.2 X10.3 | length 186.1
  Top Layer w0.2: X10.3@23.465,334.73 16.329,334.73 14.912,336.147 14.912,339.222 21.69,346 151.325,346 165.988,331.337 170.647,331.337 172.397,333.087 R16.1@176.653,333.087
  Top Layer w1: X10.3@23.465,334.73 X10.3@25.95,334.5
FAN_SENSE2: R18.1 U5.15 X11.3 | length 175.4
  Top Layer w0.2: v1(171.197,324.127) 178.227,324.127 189.3,335.2 280.3,335.2 290.107,345.007 312.793,345.007 317.131,340.669 317.131,338.177 317.15,338.158 317.15,338.06 317.94,337.27 X11.3@320.035,337.27 320.965,337.27 X11.3@320.755,337.48 ; v1(172.685,331.431) 172.75,331.366 174.621,331.366 U5.15@174.65,331.337 R18.1@176.628,331.337
  Bottom Layer w0.2: v1(171.197,324.127) 171.197,329.965 172.664,331.431 v1(172.685,331.431)
GND: C1.1 C2.1 C3.1 C4.1 C5.1 C6.1 C7.1 C8.1 C9.1 C10.1 C11.1 C12.1 C13.1 C14.1 C15.1 C16.1 C17.1 C18_T1.1 C18_T2.1 C18_T3.1 C18_T4.1 C19_T1.1 C19_T2.1 C19_T3.1 C19_T4.1 C20_T1.1 C20_T2.1 C20_T3.1 C20_T4.1 C21_T1.1 C21_T2.1 C21_T3.1 C21_T4.1 C22_T1.1 C22_T2.1 C22_T3.1 C22_T4.1 C23_T1.1 C23_T2.1 C23_T3.1 C23_T4.1 C24_T1.1 C24_T2.1 C24_T3.1 C24_T4.1 C25.1 C28.1 C29.1 C30.1 C31.1 C32.1 C33.1 C34.1 C35.1 C36.1 C37.1 C38.1 C39.1 C40.1 C41.1 C42.1 C43.1 C44.1 C45.1 C46.1 D1.2 D2.2 D3.2 D4.2 D5.2 D6.2 D7.2 D8.2 D9.2 M1.1 M2.1 M3.1 M4.1 M5.1 M6.1 M7.1 M8.1 M9.1 M10.1 M11.1 M12.1 M13.1 M14.1 M15.1 M16.1 M17.1 M18.1 M19.1 M20.1 M21.1 M22.1 R4.1 R6.1 R9.1 R10.1 R21.2 R23.2 R37.1 SW1.1 SW2.2 SW2.4 TP15.TP U1.12 U1.16 U2.12 U3.1 U3.2 U3.8 U3.13 U4_T1.1 U4_T1.7 U4_T1.8 U4_T1.12 U4_T2.1 U4_T2.7 U4_T2.8 U4_T2.12 U4_T3.1 U4_T3.7 U4_T3.8 U4_T3.12 U4_T4.1 U4_T4.7 U4_T4.8 U4_T4.12 U5.3 U5.4 U5.5 U5.10 U6.2 U6.3 U6.7 U7.3 U7.7 U8.1 U8.4 U9.3 U9.7 U10.3 U10.7 U11.16 U12.4 U13.16 U14.16 U15.5 U15.7 U16.A2 X1.3 X1.4 X1.17 X1.18 X2.1 X4.2 X4.3 X4.4 X5.2 X5.3 X5.4 X6.2 X7.2 X7.3 X7.4 X8.2 X8.3 X8.4 X10.1 X11.1 X12.2 X13.2 X14.6 X15.1 X15.7 X15.18 X15.33 X15.39 X15.45 X15.51 X15.57 X15.63 X15.69 X15.75 X15.76 X15.77 | length 82.6
  Top Layer w0.2: C23_T1.1@45.479,230.604 C23_T1.1@45.51,230.573 ; U9.3@47.55,294.845 48.195,294.845 48.5,295.15 v1(48.5,295.5) 48.445,295.555 48.445,297.195 C32.1@48.39,297.25 ; U4_T2.1@48.031,131.63 48.985,131.63 ; U4_T1.1@48.031,231.63 48.719,231.63 48.881,231.467 ; C24_T2.1@48.136,134.917 48.139,134.919 v1(48.139,135.732) v1@48.137,135.731 ; C24_T1.1@48.136,234.916 48.137,234.918 48.137,235.731 v1(48.138,235.732) ; C28.1@48.39,50.25 C28.1@48.445,50.195 ; U6.7@48.445,48.555 v1(48.5,48.5) ; C21_T1.1@49.313,220.796 v1(50.313,220.796) ; C20_T1.1@49.313,222.2 v1(50.313,222.2) ; U4_T2.8@49.481,129.68 U4_T2.7@49.081,129.68 49.081,130.22 48.985,130.316 48.985,131.63 ; U4_T1.8@49.481,229.68 U4_T1.7@49.081,229.68 49.081,230.22 48.881,230.42 48.881,231.467 ; v1(51.191,133.48) C22_T2.1@51.191,132.508 51.191,132.488 51.007,132.304 50.805,132.304 50.131,131.63 U4_T2.12@49.731,131.63 48.985,131.63 ; v1(51.238,233.48) 51.215,233.456 51.215,232.531 C22_T1.1@51.191,232.508 51.191,232.488 51.031,232.328 50.829,232.328 50.131,231.63 U4_T1.12@49.731,231.63 49.043,231.63 48.881,231.467 ; C18_T1.1@51.343,229.361 C19_T1.1@52.754,229.362 52.738,229.346 v1(52.738,228.323) ; C19_T2.1@52.739,129.346 C19_T2.1@52.754,129.362 C19_T2.1@52.783,129.332 ; X15.76@101.6,254 X15.76@101.639,254.039 ; v1(104.2,253.398) X15.7@104.2,254.775 ; v1(106.874,245.937) 106.912,245.975 106.912,247.187 X15.18@106.95,247.225 v1(106.95,248.565) ; v1(112.2,253.36) X15.39@112.2,254.775 ; v1(113.7,253.408) X15.45@113.7,254.775 ; v1(115.2,253.408) X15.51@115.2,254.775 ; v1(116.7,253.398) X15.57@116.7,254.775 ; v1(118.2,253.398) X15.63@118.2,254.775 ; X15.69@119.7,254.775 119.709,254.766 119.709,253.408 v1(119.718,253.399) ; v1(121.2,253.398) X15.75@121.2,254.775 ; C42.1@124.424,251.342 C42.1@124.524,251.342 ; U15.7@126.996,251 U15.5@126.996,251.975 ; U15.5@127.008,251.986 127.008,252.921 C43.1@127.084,252.998 ; v1(157.694,300.778) 157.742,300.731 157.742,299.809 U1.16@157.75,299.801 ; C39.1@165.862,256.344 C39.1@165.563,256.344 165.456,255.878 166.08,254.764 U14.16@166.081,254.562 ; U5.4@168.438,330.067 U5.4@169.35,330.067 ; U3.8@169.188,296.512 U3.8@169.2,296.525 ; U5.5@169.321,329.461 U5.5@169.35,329.432 ; C31.1@169.573,254.441 C31.1@169.6,254.413 ; C31.1@169.667,254.407 C31.1@169.684,254.391 ; C35.1@170.518,257.99 170.7,258.173 U11.16@170.7,259.575 ; U8.4@171.97,256.686 U8.4@172,256.686 ; U8.1@172,254.616 U8.1@172.03,254.616 ; C30.1@172.65,253.2 C30.1@172.975,253.2 ; U16.A2@173.275,305.622 U16.A2@173.275,305.628 ; C40.1@175.612,255.2 C40.1@175.683,255.271 C40.1@175.806,255.164 ; v1(175.854,263.948) 175.862,263.948 176.173,264.259 176.588,264.259 U12.4@176.613,264.284 ; U13.16@176.826,254.576 176.955,254.497 176.962,254.508 U13.16@177.01,254.597 ; C38.1@178.011,256.332 C38.1@178.128,256.669 ; C36.1@182.347,264.33 C36.1@182.607,264.59 ; C19_T4.1@291.217,217.668 C19_T4.1@291.246,217.638 ; C19_T3.1@291.262,117.624 C19_T3.1@291.246,117.608 C18_T3.1@292.657,117.608 ; C19_T4.1@291.262,217.654 C19_T4.1@291.246,217.638 ; C18_T4.1@292.657,217.639 C19_T4.1@291.246,217.638 ; C22_T3.1@292.785,114.466 C22_T3.1@292.809,114.442 ; C22_T4.1@292.809,214.492 C22_T4.1@292.818,214.483 ; v1(293.687,124.77) C20_T3.1@294.687,124.77 ; v1(293.687,126.174) C21_T3.1@294.687,126.174 ; U4_T3.12@294.269,115.34 294.957,115.34 295.119,115.502 ; U4_T4.12@294.269,215.37 294.894,215.37 295.119,215.595 ; v1(294.493,218.728) 294.519,218.702 U4_T4.8@294.519,217.32 U4_T4.7@294.919,217.32 294.919,216.78 295.119,216.58 295.119,215.595 ; v1@294.519,118.57 U4_T3.8@294.519,117.29 U4_T3.7@294.919,117.29 294.919,116.75 295.119,116.55 295.119,115.502 ; U10.3@294.55,47.845 295.195,47.845 U10.7@295.375,48.025 ; U7.3@294.55,294.845 295.195,294.845 295.5,295.15 v1(295.5,295.5) 295.445,295.555 295.445,297.195 C29.1@295.39,297.25 ; v1(295.862,111.238) v1@295.863,111.239 ; v1(295.862,211.268) 295.863,211.269 295.863,212.082 C24_T4.1@295.864,212.084 ; C24_T3.1@295.864,112.054 C24_T3.1@295.864,112.054 ; U4_T3.1@295.969,115.34 295.281,115.34 295.119,115.502 ; U4_T4.1@295.969,215.37 295.344,215.37 295.119,215.595 ; C23_T3.1@298.49,116.397 C23_T3.1@298.51,116.397 ; C23_T4.1@298.49,216.427 v1(298.49,217.521) ; C23_T2.1@45.49,130.537 45.49,130.553 C23_T2.1@45.51,130.573 45.51,130.557 C23_T2.1@45.49,130.537
  Top Layer w0.4: U6.3@47.55,47.845 U6.2@47.55,48.5 v1(48.5,48.5) ; C28.1@48.39,50.25 C28.1@48.418,50.278 ; U6.7@48.445,48.555 C28.1@48.445,50.195 ; C21_T2.1@49.314,120.796 v1(50.313,120.796) ; C20_T2.1@49.314,122.2 v1(50.313,122.2) ; C18_T2.1@51.343,129.362 C19_T2.1@52.754,129.362 ; C19_T2.1@52.783,129.332 C19_T2.1@52.812,129.362 ; U8.1@172,254.616 U8.4@172,256.686 ; U8.1@172.03,254.616 172.65,253.996 C30.1@172.65,253.2 ; U10.7@295.375,48.025 295.5,48.15 v1(295.5,48.5) 295.445,48.555 295.445,50.195 C33.1@295.39,50.25